# Allegro board RK_EVB7_RK3588_LP4XD200P232SD8_V11_20230111YWQ.brd (continued)
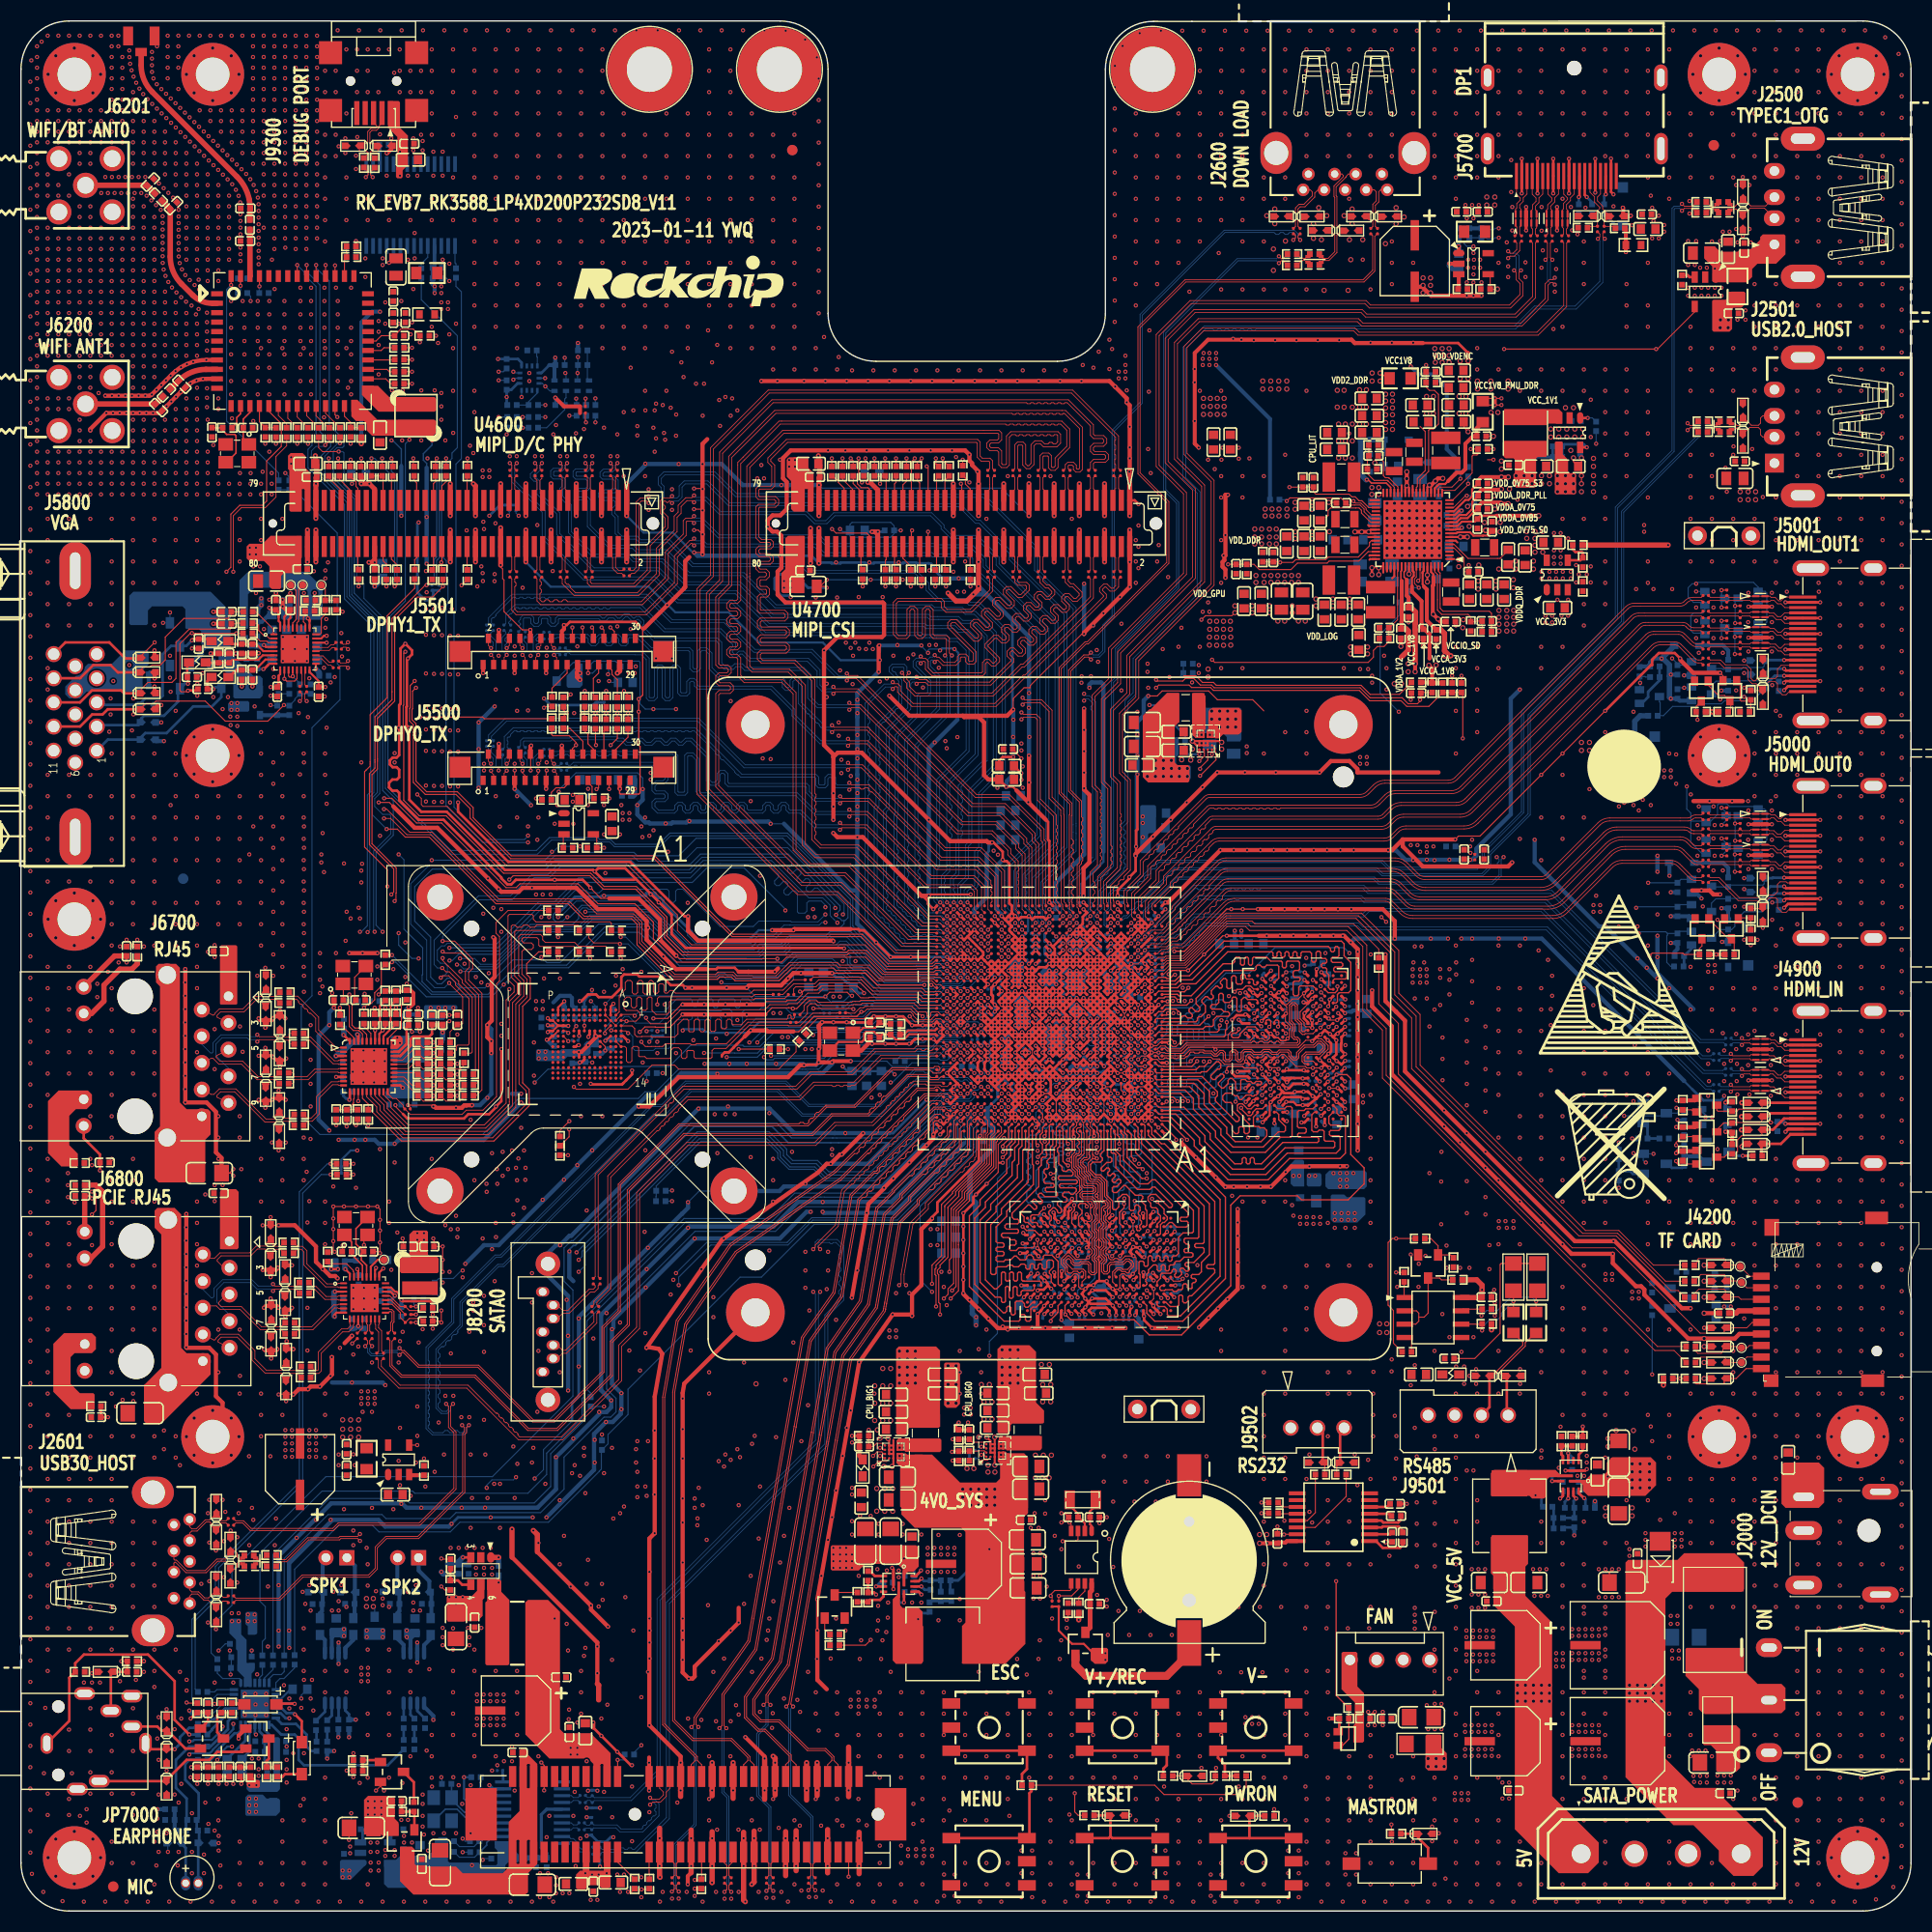
[diagram p0: board, top side]
## Placement (name value [footprint] x y rotation side) (continued)
FB5802  26R-100M  [L0603]  18.95 117.52 180 top
FB5803  26R-100M  [L0603]  16.79 118.91 180 top
FB5804  26R-100M  [L0603]  18.95 120.94 180 top
FB7000  120R-100MHz  [L0603]  24.03 11.09 90 bottom
FB7001  120R-100MHz  [L0603]  33.68 27.22 270 bottom
FB9501  120R-100MHz  [L0603]  136.17 51.09 0 top
GND9900  GND_GATE  [CON2_1X2_5R08_DIP]  159.66 130.99 0 top
GND9901  GND_GATE  [CON2_1X2_5R08_DIP]  106.32 47.8 0 top
H9900  HOLE_3R20  [HOLE_C3R20_C6R00]  5.08 174.92 0 top
H9901  HOLE_3R20  [HOLE_C3R20_C6R00]  161.73 174.92 0 top
H9902  HOLE_3R20  [HOLE_C3R20_C6R00]  174.92 5.08 0 top
H9903  HOLE_3R20  [HOLE_C3R20_C6R00]  174.92 174.92 0 top
H9904  HOLE_3R20  [HOLE_C3R20_C6R00]  5.08 5.08 0 top
H9905  HOLE_3R20  [HOLE_C3R20_C6R00]  5.08 94.45 0 top
H9906  HOLE_3R20  [HOLE_C3R20_C6R00]  18.26 45.18 0 top
H9907  HOLE_3R20  [HOLE_C3R20_C6R00]  174.92 45.18 0 top
H9908  HOLE_3R20  [HOLE_C3R20_C6R00]  18.26 110.05 0 top
H9909  HOLE_3R20  [HOLE_C3R20_C6R00]  161.73 45.18 0 top
H9910  HOLE_3R20  [HOLE_C3R20_C6R00]  18.26 174.92 0 top
H9911  HOLE_3R20  [HOLE_C3R20_C6R00]  161.73 110.05 0 top
J2000  DC-0007-5P  [DC3_DC_0007_5P]  180.09 36.24 180 top
J2400  CR1220-3V  [BAT_CR1220]  111.25 33.34 90 top
J2402  SATA_IDE_DIP_4Pin  [SATA-IDE4M_5R08_DIP]  148.59 5.45 0 top
J2500  USB20_TPYEA_01  [USB20A4_USB_AF_01_001]  166.99 162.22 180 top
J2501  USB20_TPYEA_01  [USB20A4_USB_AF_01_001]  166.99 141.39 180 top
J2600  USB30_A  [USB30A9_USB30_AF]  126.11 163.92 180 top
J2601  USB30_A  [USB30A9_USB30_AF]  16.06 33.29 270 top
J4200  TFP09-2-12B  [TF9_TFP09-2-12B]  176.74 57.26 0 top
J4900  HDMI_TYPE_A  [HDMIA19_HDMI_01A]  169.7 82.97 270 top
J5000  HDMI_TYPE_A  [HDMIA19_HDMI_01A]  169.7 104.41 270 top
J5001  HDMI_TYPE_A  [HDMIA19_HDMI_01A]  169.7 125.14 270 top
J5500  -  [CNN30_1R00_FP05SL_V]  51.51 108.93 0 top
J5501  -  [CNN30_1R00_FP05SL_V]  51.51 119.95 0 top
J5700  6601-20FH  [DP20_G46A20X2101WEU]  147.68 172.43 0 top
J5800  VGA_DB15  [DSUB15B]  7.21 110.51 90 top
J6200  SMA-J-P-H-RA-TH1  [ANT5_SMA_RA_TH1]  6.15 143.53 90 top
J6201  SMA-J-P-H-RA-TH1  [ANT5_SMA_RA_TH1]  6.15 164.35 90 top
J6700  HR911130C  [RJ45_HR911130C]  10.87 81.4 90 top
J6800  HR911130C  [RJ45_HR911130C]  10.97 58.08 90 top
J7000  Audio_Jack_2P_A  [CN2M_2R00_V_P_DIP]  31.04 33.64 180 bottom
J7001  Audio_Jack_2P_A  [CN2M_2R00_V_P_DIP]  37.87 33.64 180 bottom
J8200  -  [SATA30_7P_V_DIP]  49.68 51.35 270 top
J9300  USB20_mini  [USB20MIN5_USB_M5_03_002]  33.58 174.11 270 top
J9501  CN4M_2R54_V  [CN4M_2R54_V_P_DIP]  137.82 47.22 180 top
J9502  CN3M_2R54_V  [CN3M_2R54_V_P_DIP]  123.47 46.01 0 top
J9900  Radiator_Fan_65x65  [RADIATOR_FAN_65RX65RX13R]  97.94 85 270 top
JP7000  -  [PJ8_B2339J]  3.56 15.97 0 top
L2000  1.5uH  [IND_707028]  87.78 25.44 0 top
L2100  1.5uH  [IND_707028]  141.76 37.63 270 top
L2200  0.47uH  [IND_201610]  126.09 130.11 0 top
L2201  0.22uH  [IND_322512]  125.76 126.75 180 top
L2202  0.47uH  [IND_201610]  130.77 138.04 270 top
L2203  0.22uH  [IND_322512]  125.76 136.57 180 top
L2204  0.47uH  [IND_201610]  136.19 125.62 90 top
L2205  0.22uH  [IND_322512]  129.49 124.88 270 top
L2206  0.47uH  [IND_201610]  139.4 129.86 180 top
L2207  0.22uH  [IND_322512]  135.69 139.11 90 top
L2208  0.47uH  [IND_201610]  132.69 138.93 270 top
L2209  0.47uH  [IND_201610]  126.09 132.55 180 top
L2300  0.22uH  [IND_322512]  95.83 45.84 90 top
L2301  0.22uH  [IND_322512]  86.13 45.51 90 top
L2302  2.2uH  [IND_404026]  143.28 140.76 270 top
L2303  0.22uH  [IND_322512]  110.92 114.59 180 top
L2501  NC  [RP2_0405]  162.26 141.37 180 top
L2502  NC  [RP2_0405]  162.13 162.26 180 top
L2600  90R-100M  [RP2_0405]  123.2 157.29 0 top
L2601  NC  [RP2_0405]  21.72 33.34 0 top
L6200  4.7uH  [IND_303012]  37.62 142.42 0 top
L6700  2.2uH  [IND_303015]  37.11 80.43 180 bottom
L6800  2.2uH  [IND_303015]  38 60.37 180 top
L7000  600R-100M  [L0603]  31.65 27.09 90 bottom
L7001  600R-100M  [L0603]  28.47 27.09 90 bottom
L7002  600R-100M  [L0603]  39.01 27.09 90 bottom
L7003  600R-100M  [L0603]  35.84 27.09 90 bottom
L8100  4.7uH  [IND_606045]  47.27 26.46 0 top
M9900  -  [MARK]  169.21 10.33 0 top
M9901  -  [MARK]  73.46 167.71 180 bottom
M9902  -  [MARK]  73.46 167.71 0 top
M9903  -  [MARK]  169.21 10.33 180 bottom
M9904  -  [MARK]  161.21 168.16 180 bottom
M9905  -  [MARK]  15.44 98.31 180 bottom
M9906  -  [MARK]  161.21 168.16 0 top
M9907  -  [MARK]  8.79 2.33 0 top
MIC7000  MIC-4020  [MIC2_4020]  16.28 2.66 0 top
NOREF  -  []  151.28 73.07 0 top
NOREF#2  -  []  153.19 109.23 0 top
NOREF#3  -  []  52.6 153.46 0 top
NOREF#4  -  []  153.15 88.39 0 top
Q2000  S8050  [SOT_23]  77.5 29 0 top
Q2400  2SK3018  [SOT_323]  126.39 16.42 270 top
Q4200  WPM2015-3/TR  [SOT_23]  158.14 58.33 90 bottom
Q4900  S8050  [SOT_23]  155.6 75.99 90 bottom
Q4901  WPM3407-3/TR  [SOT_23]  161.57 72.3 90 bottom
Q4902  2SK3018  [SOT_323]  160.55 74.21 270 top
Q4903  S8050  [SOT_23]  155.6 71.16 90 bottom
Q4904  2SK3018  [SOT_323]  160.55 76.75 270 top
Q4905  2SK3018  [SOT_323]  160.55 71.8 270 top
Q5000  2SK3018  [SOT_323]  160.05 95.19 90 bottom
Q5001  2SK3018  [SOT_323]  160.05 92.65 90 bottom
Q5002  2SK3018  [SOT_323]  160.05 97.6 90 bottom
Q5003  WNM6002-3/TR  [SOT_323]  164.49 101.21 270 bottom
Q5004  WNM6002-3/TR  [SOT_323]  161.44 104.31 90 bottom
Q5005  WNM6002-3/TR  [SOT_323]  164.49 104.31 270 bottom
Q5006  WNM6002-3/TR  [SOT_323]  161.44 101.39 90 bottom
Q5007  2SK3018  [SOT_323]  160.05 115.92 90 bottom
Q5008  2SK3018  [SOT_323]  155.09 115.66 90 bottom
Q5009  WNM6002-3/TR  [SOT_323]  164.49 121.94 270 bottom
Q5010  WNM6002-3/TR  [SOT_323]  161.32 125.01 90 bottom
Q5011  WNM6002-3/TR  [SOT_323]  164.49 125.03 270 bottom
Q5012  WNM6002-3/TR  [SOT_323]  161.32 122.21 90 bottom
Q5013  2SK3018  [SOT_323]  160.05 118.33 90 bottom
Q5014  2SK3018  [SOT_323]  160.03 116.18 180 top
Q5015  2SK3018  [SOT_323]  162.9 93.54 180 top
Q5016  2SK3018  [SOT_323]  160.09 93.54 180 top
Q5020  2SK3018  [SOT_323]  162.75 116.22 180 top
Q7000  WNM2016-3/TR  [SOT_23]  18.19 16.42 270 top
Q7001  WNM2016-3/TR  [SOT_23]  22.5 16.42 270 top
Q8100  WPM3407-3/TR  [SOT_23]  36.51 6.63 180 top
Q8101  S8050  [SOT_23]  35.33 13.25 270 top
Q9500  S8050  [SOT_23]  134.01 61.38 180 top
R1100  0R  [R0402]  83.72 80.94 180 bottom
R1101  22R  [R0402]  83.26 84.5 0 top
R1103  510K  [R0402]  83.26 83.48 180 top
R1104  22R  [R0402]  60.1 79.8 0 bottom
R1107  22R  [R0402]  71.78 82.08 180 top
R1113  2.2K  [R0201]  61.11 83.61 90 bottom
R1114  2.2K  [R0201]  60.1 83.61 90 bottom
R1115  100K  [R0402]  131.72 124.63 0 bottom
R1116  120K  [R0402]  132.23 126.15 90 bottom
R1130  2.2K  [R0201]  98.2 29.25 90 top
R1131  2.2K  [R0201]  98.83 29.25 90 top
R1132  0R  [R0402]  25.55 135.8 90 bottom
R1139  2.2K  [R0201]  90.58 43.09 0 bottom
R1140  2.2K  [R0201]  90.58 43.86 0 bottom
R1200  240R  [R0201]  103.78 85.64 180 bottom
R1201  240R  [R0201]  105.05 78.46 90 bottom
R1202  240R  [R0201]  104.29 78.46 90 bottom
R1203  240R  [R0201]  97.82 77.76 90 bottom
R1204  0R  [R0603]  121.82 68.66 270 bottom
R1205  0R  [R0402]  124.05 69.51 0 bottom
R1306  0R  [R0201]  73.34 87.27 180 top
R1307  0R  [R0201]  73.92 85.37 180 top
R1308  0R  [R0201]  78 85.13 180 bottom
R1309  0R  [R0201]  74.96 88.69 180 top
R1310  0R  [R0201]  73.56 84.62 180 top
R1311  0R  [R0201]  76.73 85.51 180 bottom
R1314  0R  [R0201]  80.8 86.27 180 bottom
R1315  0R  [R0201]  78 86.15 180 bottom
R1316  0R  [R0201]  78.26 85.55 180 top
R1317  0R  [R0402]  74.45 83.23 225 top
R1318  0R  [R0201]  71.91 87.29 180 top
R1320  22R  [R0402]  129.31 90.34 270 top
R1400  200R  [R0201]  103.45 91.4 270 bottom
R1401  200R  [R0201]  104.55 91.99 0 bottom
R1402  8.2K  [R0201]  98.59 92.42 180 bottom
R1405  200R  [R0201]  100.79 96.31 90 bottom
R1406  200R  [R0201]  104.93 96.31 90 bottom
R1410  8.2K  [R0201]  98.58 91.81 180 bottom
R1500  10K  [R0402]  134.39 116.5 90 top
R1501  2.2K  [R0201]  30.25 70.91 180 bottom
R1502  2.2K  [R0201]  30.25 70.27 180 bottom
R1506  2.2K  [R0201]  46.51 133.64 270 bottom
R1507  2.2K  [R0201]  47.14 133.64 270 bottom
R1508  10K  [R0402]  132.87 117.01 180 top
R1509  DNP  [R0402]  136.3 116.5 90 top
R1510  1K  [R0402]  111.15 118.79 0 bottom
R1511  100K  [R0402]  135.41 116.5 270 top
R1512  0R  [R0402]  56.67 91.35 180 top
R1513  0R  [R0402]  53.62 91.35 180 top
R1514  0R  [R0402]  50.7 95.29 180 top
R1515  0R  [R0402]  53.62 93.39 180 top
R1516  0R  [R0402]  50.7 93.39 180 top
R1517  0R  [R0402]  56.67 93.39 180 top
R1519  0R  [R0402]  34.7 90.59 270 top
R1520  0R  [R0402]  50.7 91.35 180 top
R1530  0R  [R0402]  60.93 67.6 0 bottom
R1531  0R  [R0402]  60.95 68.59 0 bottom
R1532  0R  [R0402]  51.33 72.43 270 top
R1533  0R  [R0402]  51.33 73.32 90 top
R1534  0R  [R0402]  55.33 44.36 90 bottom
R1535  0R  [R0402]  54.25 48.5 270 bottom
R1708  8.2K  [R0201]  107.72 94.66 225 bottom
R1719  8.2K  [R0201]  108.61 95.8 90 bottom
R1730  200R  [R0201]  108.1 90.46 90 bottom
R1801  200R  [R0201]  87.15 74.72 90 bottom
R1807  200R  [R0201]  86.89 73.57 180 bottom
R1900  2.2K  [R0201]  54.89 114.85 270 bottom
R1901  2.2K  [R0201]  55.52 114.85 270 bottom
R1903  2.2K  [R0201]  39.14 126.02 90 bottom
R1904  2.2K  [R0201]  39.78 126.01 90 bottom
R1905  0R  [R0402]  37.87 58.21 180 bottom
R1906  0R  [R0402]  39.4 59.39 90 bottom
R1920  2.2K  [R0201]  53.49 143.3 0 top
R1921  2.2K  [R0201]  53.49 142.66 0 top
R1923  0R  [R0402]  46.76 141.26 180 bottom
R1924  0R  [R0402]  46.76 142.28 180 bottom
R2000  2R  [R1210]  161.57 18.2 270 top
R2001  1K  [R1206]  158.52 26.08 180 bottom
R2002  3.3R  [R0402]  83.46 28.87 270 bottom
R2003  510K  [R0402]  84.61 34.2 180 bottom
R2004  DNP  [R0402]  86.54 28.95 90 bottom
R2005  43K  [R0402]  88.05 31.49 180 bottom
R2006  DNP  [R0402]  87.6 29.96 90 bottom
R2007  100K  [R0402]  84.61 32.93 0 bottom
R2008  7.5K  [R0402]  86.64 31.04 270 bottom
R2009  100K  [R0402]  80.67 31.92 90 top
R2010  100K  [R0402]  80.67 29.89 270 top
R2030  10K  [R0402]  79.65 29.89 90 top
R2031  10K  [R0402]  77.5 25.31 180 top
R2032  51K  [R0402]  77.5 26.33 0 top
R2100  3.3R  [R0402]  145.31 41.57 180 bottom
R2101  510K  [R0402]  150.65 40.43 90 bottom
R2102  DNP  [R0402]  145.39 38.5 0 bottom
R2103  232K  [R0402]  147.93 36.98 90 bottom
R2104  DNP  [R0402]  146.41 37.43 0 bottom
R2105  100K  [R0402]  149.38 40.48 90 bottom
R2106  30K  [R0402]  147.48 38.4 180 bottom
R2107  100K  [R0402]  148.74 44.74 270 top
R2108  100K  [R0402]  147.73 44.74 270 top
R2109  100K  [R0402]  146.71 44.74 90 top
R2139  0R  [R0402]  149.45 38.39 180 bottom
R2200  100R  [R0402]  118.26 128.95 270 top
R2201  100R  [R0402]  116.74 127.8 270 top
R2202  120K  [R0402]  128.8 139.61 180 top
R2203  100R  [R0402]  122.07 136.06 90 top
R2204  100K  [R0402]  128.68 137.33 0 top
R2206  100R  [R0402]  129.82 121.2 180 top
R2207  20K  [R0402]  139.6 121.83 180 top
R2208  100K  [R0402]  138.07 122.34 270 top
R2209  100R  [R0402]  134.26 145.58 180 top
R2210  0R  [R0805]  139.22 142.79 270 top
R2211  0R  [R0805]  131.34 145.96 0 top
R2212  100K  [R0402]  139.22 139.23 0 top
R2213  100K  [R0402]  138.4 134.41 270 bottom
R2214  10K  [R0402]  136.8 137.58 270 bottom
R2215  10K  [R0402]  119.41 134.41 0 bottom
R2216  200K  [R0402]  128.04 140.12 0 bottom
R2217  200K  [R0402]  128.04 138.72 180 bottom
R2300  100R  [R0402]  89.31 45.38 270 top
R2301  100R  [R0402]  80.29 45.25 0 top
R2302  100K  [R0402]  89.31 43.35 90 top
R2303  120K  [R0402]  90.32 43.35 270 top
R2304  10K  [R0402]  150.01 141.39 90 bottom
R2305  100K  [R0402]  146.33 139.49 0 bottom
R2306  100R  [R0402]  110.41 110.4 0 bottom
R2307  120K  [R0402]  148.49 139.23 270 bottom
R2311  10K  [R0402]  148.23 130.09 180 top
R2322  4.7K  [R0402]  148.74 126.15 90 top
R2323  4.7K  [R0402]  52.1 101.26 0 top
R2324  100K  [R0402]  54.38 101.26 180 top
R2350  100K  [R0402]  148.74 128.44 270 top
R2400  22R  [R0402]  99.72 28.87 270 top
R2403  1K  [R0402]  126.9 19.34 180 top
R2410  10K  [R0402]  100.74 28.87 270 top
R2425  10K  [R0402]  126.01 18.33 0 top
R2426  10K  [R0402]  128.04 18.33 180 top
R2502  0R  [R0402]  162.26 141.87 180 top
R2503  0R  [R0805]  163.48 154.73 90 top
R2504  0R  [R0402]  162.26 140.86 180 top
R2505  4.7K  [R0402]  158.2 155.34 270 top
R2507  2.2R  [R0402]  160.18 141.87 180 top
R2509  2.2R  [R0402]  160.18 140.86 180 top
R2510  0R  [R0402]  162.13 162.77 180 top
R2511  0R  [R0402]  162.13 161.75 180 top
R2512  2.2R  [R0402]  160.05 162.77 180 top
R2513  2.2R  [R0402]  160.05 161.75 180 top
R2600  10K  [R0402]  136.93 159.81 90 bottom
R2601  20K  [R0402]  139.09 159.81 270 bottom
R2602  2.2R  [R0402]  121.06 156.73 0 top
R2603  0R  [R0402]  123.2 156.78 0 top
R2604  0R  [R0805]  138.44 159.93 180 top
R2605  2.2R  [R0402]  121.06 157.8 0 top
R2606  0R  [R0402]  123.2 157.8 0 top
R2607  0R  [R0201]  121.18 159.99 90 top
R2608  0R  [R0201]  121.82 159.99 90 top
R2609  100K  [R0402]  139.47 154.47 180 top
R2610  4.7K  [R0402]  137.31 154.47 0 top
R2611  0R  [R0805]  32.92 43.08 270 top
R2612  2.2R  [R0402]  23.85 33.9 0 top
R2613  0R  [R0402]  21.72 33.85 0 top
R2614  0R  [R0402]  21.72 32.83 0 top
R2615  2.2R  [R0402]  23.85 32.83 0 top
R2616  0R  [R0201]  19.99 29.38 180 top
R2617  0R  [R0201]  19.99 30.01 180 top
R2619  4.7K  [R0402]  38.38 41.95 90 top
R3801  49.9R  [R0201]  119.41 82.95 90 bottom
R3802  49.9R  [R0201]  120.17 82.95 90 bottom
R3804  49.9R  [R0201]  118.52 81.45 0 bottom
R3805  49.9R  [R0201]  119.91 81.45 0 bottom
R3806  10K  [R0201]  116.74 84.88 0 bottom
R3807  10K  [R0201]  116.75 79.8 180 bottom
R3808  0R  [R0805]  124.36 67.6 180 bottom
R3809  240R  [R0201]  121.06 89.19 90 bottom
R3810  240R  [R0201]  121.82 89.19 90 bottom
R3811  0R  [R0805]  127.28 68.37 90 bottom
R3812  49.9R  [R0201]  103.4 63.41 270 bottom
R3813  49.9R  [R0201]  103.4 62.27 90 bottom
R3814  49.9R  [R0201]  100.58 65.19 225 bottom
R3815  49.9R  [R0201]  101.78 63.92 270 bottom
R3816  10K  [R0201]  105.46 66.23 270 bottom
R3817  10K  [R0201]  99.92 65.93 0 bottom
R3818  240R  [R0201]  110.01 62.4 0 bottom
R3819  240R  [R0201]  109.88 60.24 0 bottom
R4000  10K  [R0201]  51.59 83.96 270 bottom
R4001  10K  [R0201]  57.18 83.23 90 bottom
R4002  10K  [R0402]  52.75 85.51 270 bottom
R4003  22R  [R0402]  54.66 85.51 270 bottom
R4004  47K  [R0402]  53.64 85.51 90 bottom
R4200  0R  [R0402]  158.14 60.87 0 bottom
R4201  10K  [R0402]  155.35 57.19 90 bottom
R4202  10K  [R0402]  162.46 59.86 90 bottom
R4203  100K  [R0402]  156.87 50.71 180 top
R4204  22R  [R0402]  158.9 61.51 0 top
R4205  22R  [R0402]  158.9 59.98 0 top
R4206  22R  [R0402]  158.9 58.46 0 top
R4207  22R  [R0402]  159.03 53.76 0 top
R4208  22R  [R0402]  159.03 52.24 0 top
R4209  22R  [R0402]  159.03 50.71 0 top
R4600  0R  [R0201]  56.79 136.95 270 top
R4601  0R  [R0201]  57.68 127.8 0 top
R4602  0R  [R0201]  56.16 136.95 270 top
R4603  0R  [R0201]  57.68 127.17 0 top
R4604  0R  [R0201]  54.4 136.95 270 top
R4605  0R  [R0201]  54.4 127.29 270 top
R4606  0R  [R0201]  53.76 136.95 270 top
R4607  0R  [R0201]  53.76 127.29 270 top
R4608  0R  [R0201]  52 136.95 270 top
R4609  0R  [R0201]  52 127.29 270 top
R4610  0R  [R0201]  51.36 136.95 270 top
R4611  0R  [R0201]  51.36 127.29 270 top
R4612  0R  [R0201]  49.6 136.95 270 top
R4613  0R  [R0201]  49.6 127.29 270 top
R4614  0R  [R0201]  48.96 136.95 270 top
R4615  0R  [R0201]  48.96 127.29 270 top
R4616  0R  [R0201]  47.2 136.95 270 top
R4617  0R  [R0201]  47.2 127.29 270 top
R4618  0R  [R0201]  46.56 136.95 270 top
R4619  0R  [R0201]  46.56 127.29 270 top
R4620  100R  [R0402]  42.52 137.12 270 top
R4621  100R  [R0402]  42.52 127.27 270 top
R4622  100R  [R0402]  40.49 137.12 270 top
R4623  100R  [R0402]  40.18 127.27 270 top
R4624  100R  [R0402]  39.47 137.12 270 top
R4625  100R  [R0402]  39.17 127.27 270 top
R4626  100R  [R0402]  31.34 137.12 270 top
R4627  100R  [R0402]  32.16 127.29 270 top
R4628  100R  [R0402]  37.44 137.12 270 top
R4629  100R  [R0402]  37.49 127.29 270 top
R4630  100R  [R0402]  35.41 137.12 270 top
R4631  100R  [R0402]  35.81 127.27 270 top
R4640  100R  [R0402]  30.33 137.12 270 top
R4641  100R  [R0402]  29.31 137.12 270 top
R4642  100R  [R0402]  34.39 137.12 270 top
R4651  100R  [R0402]  33.38 137.12 270 top
R4652  100R  [R0402]  34.8 127.27 270 top
R4653  100R  [R0402]  30.54 70.14 180 top
R4654  100R  [R0402]  30.51 71.16 180 top
R4700  0R  [R0201]  104.71 136.95 270 top
R4701  0R  [R0201]  104.71 127.29 270 top
R4702  0R  [R0201]  104.07 136.95 270 top
R4703  0R  [R0201]  104.08 127.29 270 top
R4704  0R  [R0201]  102.31 136.95 270 top
R4705  0R  [R0201]  102.31 127.29 270 top
R4706  0R  [R0201]  101.68 136.95 270 top
R4707  0R  [R0201]  101.68 127.29 270 top
R4708  0R  [R0201]  99.91 136.95 270 top
R4709  0R  [R0201]  99.91 127.29 270 top
R4710  0R  [R0201]  99.28 136.95 270 top
R4711  0R  [R0201]  99.28 127.29 270 top
R4712  0R  [R0201]  97.51 136.95 270 top
R4713  0R  [R0201]  97.51 127.29 270 top
R4714  0R  [R0201]  96.88 136.95 270 top
R4715  0R  [R0201]  96.88 127.29 270 top
R4716  0R  [R0201]  95.11 136.95 270 top
R4717  0R  [R0201]  95.11 127.29 270 top
R4718  0R  [R0201]  94.48 136.95 270 top
R4719  0R  [R0201]  94.48 127.29 270 top
R4720  0R  [R0201]  92.71 136.95 270 top
R4721  0R  [R0201]  92.71 127.29 270 top
R4722  0R  [R0201]  92.08 136.95 270 top
R4723  0R  [R0201]  92.08 127.29 270 top
R4724  100R  [R0402]  89.69 137.2 270 top
R4725  100R  [R0402]  90.43 127.27 270 top
R4726  100R  [R0402]  88.4 137.12 270 top
R4727  100R  [R0402]  88.09 127.27 270 top
R4728  100R  [R0402]  87.38 137.12 270 top
R4729  100R  [R0402]  87.08 127.27 270 top
R4730  100R  [R0402]  84.33 137.12 270 top
R4731  100R  [R0402]  84.74 127.27 270 top
R4732  100R  [R0402]  85.35 137.12 270 top
R4733  100R  [R0402]  85.76 127.27 270 top
R4734  100R  [R0402]  83.34 127.29 270 top
R4735  100R  [R0402]  83.34 137.13 270 top
R4736  100R  [R0402]  79.25 137.12 270 top
R4737  100R  [R0402]  80.16 127.29 270 top
R4738  100R  [R0402]  78.24 137.12 270 top
R4739  100R  [R0402]  77.22 137.12 270 top
R4740  100R  [R0402]  81.29 137.12 270 top
R4741  100R  [R0402]  82.3 137.12 270 top
R4751  100R  [R0402]  82.32 127.29 270 top
R4752  100R  [R0402]  54.25 142.41 180 bottom
R4753  100R  [R0402]  54.25 143.42 180 bottom
R4900  2.2R  [R0201]  161.47 78.07 180 bottom
R4901  2.2R  [R0201]  161.47 78.7 180 bottom
R4902  2.2R  [R0201]  162.61 79.59 180 bottom
R4903  2.2R  [R0201]  162.61 80.23 180 bottom
R4904  2.2R  [R0201]  161.47 81.02 180 bottom
R4905  2.2R  [R0201]  161.47 81.65 180 bottom
R4906  2.2R  [R0201]  162.61 82.49 180 bottom
R4907  2.2R  [R0201]  162.61 83.12 180 bottom
R4908  100K  [R0402]  156.49 73.57 180 bottom
R4909  100K  [R0402]  158.39 75.73 90 bottom
R4910  1K  [R0402]  165.38 71.92 0 top
R4911  47K  [R0402]  154.46 73.57 180 bottom
R4912  100K  [R0402]  158.39 73.45 270 bottom
R4913  10K  [R0402]  158.27 74.21 270 top
R4914  47K  [R0402]  162.97 74.59 90 top
R4915  10K  [R0402]  158.39 71.41 270 bottom
R4916  56K  [R0402]  158.27 76.75 270 top
R4917  56K  [R0402]  162.97 76.62 270 top
R4918  10K  [R0402]  152.17 70.02 90 bottom
R4919  10K  [R0402]  158.27 71.92 270 top
R4920  47K  [R0402]  162.97 72.56 270 top
R4921  20K  [R0402]  152.17 72.05 90 bottom
R5000  10K  [R0402]  157.76 95.19 90 bottom
R5001  1.8K  [R0402]  162.59 95.95 90 bottom
R5002  10K  [R0402]  157.76 92.65 90 bottom
R5003  1K  [R0402]  157.94 90.94 0 bottom
R5004  1.8K  [R0402]  162.59 93.92 270 bottom
R5007  590R  [R0201]  163.73 99.23 270 top
R5008  590R  [R0201]  163.73 100.37 90 top
R5009  590R  [R0201]  162.46 103.67 270 top
R5010  590R  [R0201]  162.46 104.82 90 top
R5011  590R  [R0201]  163.73 102.17 270 top
R5012  590R  [R0201]  163.73 103.32 90 top
R5013  590R  [R0201]  162.46 100.75 270 top
R5014  590R  [R0201]  162.46 101.89 90 top
R5015  47K  [R0402]  164.74 93 90 top
R5016  1.2K  [R0402]  164.74 95.04 90 top
R5017  27K  [R0402]  157.76 97.48 90 bottom
R5018  27K  [R0402]  162.59 97.98 270 bottom
R5019  47K  [R0402]  162.71 91.1 180 top
R5020  10K  [R0402]  157.76 115.92 90 bottom
R5021  1.8K  [R0402]  162.59 116.68 90 bottom
R5022  10K  [R0402]  154.15 118.02 270 bottom
R5023  1K  [R0402]  155.6 118.53 0 bottom
R5024  1.8K  [R0402]  155.42 113.83 0 bottom
R5027  590R  [R0201]  163.73 119.95 270 top
R5028  590R  [R0201]  163.73 121.1 90 top
R5029  590R  [R0201]  162.46 124.4 270 top
R5030  590R  [R0201]  162.46 125.54 90 top
R5031  590R  [R0201]  163.73 122.9 270 top
R5032  590R  [R0201]  163.73 124.04 90 top
R5033  590R  [R0201]  162.46 121.48 270 top
R5034  590R  [R0201]  162.46 122.62 90 top
R5035  47K  [R0402]  162.14 114.21 180 top
R5036  1.2K  [R0402]  164.74 115.8 90 top
R5037  47K  [R0402]  164.17 114.21 0 top
R5038  27K  [R0402]  157.76 118.2 90 bottom
R5039  27K  [R0402]  162.59 118.71 270 bottom
R5050  47K  [R0402]  160.3 91.1 0 top
R5051  47K  [R0402]  159.98 114.21 0 top
R5500  0R  [R0201]  44.98 111.19 270 bottom
R5501  0R  [R0201]  44.35 111.19 90 bottom
R5502  0R  [R0201]  45.87 110.38 270 bottom
R5503  0R  [R0201]  46.51 110.38 90 bottom
R5504  0R  [R0201]  47.4 110.56 90 bottom
R5505  0R  [R0201]  48.03 110.56 270 bottom
R5506  0R  [R0201]  50.06 110.63 180 bottom
R5507  0R  [R0201]  50.06 110 0 bottom
R5508  0R  [R0201]  51.71 109.29 0 bottom
R5509  0R  [R0201]  51.71 108.65 180 bottom
R5510  0R  [R0402]  50.06 105.83 0 top
R5511  0R  [R0402]  50.55 113.1 90 top
R5512  0R  [R0402]  51.66 113.1 90 top
R5513  0R  [R0402]  55.02 105.96 180 top
R5514  0R  [R0402]  53.7 113.1 90 top
R5515  0R  [R0402]  54.71 113.05 270 top
R5516  0R  [R0402]  55.73 113.05 90 top
R5517  0R  [R0402]  56.79 113.05 270 top
R5518  0R  [R0402]  57.81 113.05 90 top
R5530  0R  [R0201]  44.98 122.21 270 bottom
R5531  0R  [R0201]  44.35 122.21 90 bottom
R5532  0R  [R0201]  46 122.21 270 bottom
R5533  0R  [R0201]  46.63 122.21 90 bottom
R5534  0R  [R0201]  47.4 121.58 90 bottom
R5535  0R  [R0201]  48.03 121.58 270 bottom
R5536  0R  [R0201]  50.06 121.78 180 bottom
R5537  0R  [R0201]  50.06 121.15 0 bottom
R5538  0R  [R0201]  51.59 120.28 0 bottom
R5539  0R  [R0201]  51.59 119.65 180 bottom
R5540  0R  [R0402]  50.57 115.16 90 top
R5541  0R  [R0402]  53.7 115.13 270 top
R5542  0R  [R0402]  54.71 115.13 90 top
R5543  0R  [R0402]  55.73 115.13 270 top
R5544  0R  [R0402]  56.79 115.13 90 top
R5545  0R  [R0402]  57.81 115.13 270 top
R5554  0R  [R0402]  51.66 115.13 270 top
R5563  0R  [R0402]  55.52 118.53 180 bottom
R5700  100K  [R0402]  148.74 160.31 0 top
R5701  1M  [R0402]  148.36 162.09 270 bottom
R5702  1M  [R0402]  149.63 162.09 270 bottom
R5703  100K  [R0402]  152.3 160.26 180 top
R5704  0R  [R0603]  153.57 158.66 0 top
R5706  470R  [R0402]  150.77 162.09 90 bottom
R5800  2.2K  [R0402]  25.55 114.34 90 bottom
R5801  2.2K  [R0402]  24.41 114.34 90 bottom
R5802  0R  [R0402]  21.36 115.36 90 bottom
R5803  0R  [R0402]  22.5 123.23 270 bottom
R5804  22R  [R0402]  26.57 116.37 270 bottom
R5805  22R  [R0402]  25.55 116.37 270 bottom
R5806  0R  [R0402]  26.06 124.75 180 bottom
R5807  22R  [R0402]  28.98 124.37 270 top
R5808  200R  [R0402]  21.59 121.68 180 top
R5809  4.7K  [R0402]  30 124.37 270 top
R5810  0R  [R0402]  27.52 123.81 180 top
R5811  12K  [R0402]  27.58 124.82 180 top
R5812  33R  [R0402]  21.59 122.65 180 top
R5813  75R  [R0402]  21.03 117.74 270 top
R5814  33R  [R0402]  21.62 123.74 180 top
R5815  75R  [R0402]  18.82 119.32 90 top
R5816  75R  [R0402]  21.03 120.21 270 top
R6200  22R  [R0402]  19.65 141.26 0 top
R6201  100K  [R0402]  24.28 140.81 90 top
R6202  120K  [R0402]  23.27 140.83 270 top
R6203  100K  [R0402]  31.45 158.54 180 top
R6204  0R  [R0402]  23.14 154.09 0 bottom
R6205  120K  [R0402]  31.45 157.52 0 top
R6206  0R  [R0402]  25.3 140.81 90 top
R6207  0R  [R0402]  26.31 140.81 90 top
R6208  0R  [R0402]  27.33 140.81 90 top
R6209  0R  [R0402]  28.35 140.81 90 top
R6210  0R  [R0402]  29.36 140.81 90 top
R6211  0R  [R0402]  30.38 140.81 90 top
R6212  100K  [R0402]  21.11 154.09 180 bottom
R6213  120K  [R0402]  21.11 155.49 0 bottom
R6214  10K  [R0402]  32.41 140.81 90 top
R6216  0R  [R0603]  38.67 152.06 0 top
R6217  10K  [R0402]  31.39 140.83 270 top
R6218  0R  [R0805]  38.65 156 0 top
R6219  22R  [R0402]  36.04 145.46 180 top
R6220  22R  [R0402]  36.04 146.6 180 top
R6221  22R  [R0402]  36.04 147.74 180 top
R6222  22R  [R0402]  36.04 148.88 180 top
R6223  DNP  [R0402]  38.44 150.03 0 top
R6230  0R  [R0402]  24.54 135.8 270 bottom
R6700  0R  [R0402]  26.47 74.84 180 top
R6702  0R  [R0402]  26.47 75.86 180 top
R6703  0R  [R0402]  25.04 78.81 180 top
R6704  0R  [R0402]  25.04 79.82 180 top
R6705  0R  [R0402]  26.47 82.57 180 top
R6706  0R  [R0402]  26.47 83.58 180 top
R6707  0R  [R0402]  25.1 86.48 180 top
R6709  0R  [R0402]  25.1 87.49 180 top
R6710  100R  [R0402]  32.66 84.95 270 top
R6711  510R  [R0402]  11.07 91.4 270 top
R6712  120R  [R0402]  31.65 86.65 180 bottom
R6713  510R  [R0402]  5.59 71.24 180 top
R6714  4.7K  [R0402]  35.71 84.95 90 top
R6715  4.7K  [R0402]  35.71 87.16 270 top
R6716  4.7K  [R0402]  33.68 84.95 90 top
R6717  4.7K  [R0402]  34.7 87.16 270 top
R6718  4.7K  [R0402]  34.7 84.95 90 top
R6719  2.49K  [R0402]  30.38 84.88 90 top
R6720  4.7K  [R0402]  36.73 87.24 90 top
R6721  4.7K  [R0402]  38.25 77.64 0 top
R6722  4.7K  [R0402]  40.41 77.64 180 top
R6723  4.7K  [R0402]  38.25 82.72 0 top
R6724  4.7K  [R0402]  38.25 81.7 0 top
R6725  4.7K  [R0402]  38.25 80.69 0 top
R6726  4.7K  [R0402]  40.41 80.69 180 top
R6727  0R  [R0402]  40.03 84.75 270 bottom
R6728  4.7K  [R0402]  40.41 79.67 180 top
R6729  4.7K  [R0402]  38.25 79.67 0 top
R6730  4.7K  [R0402]  38.25 78.65 0 top
R6731  4.7K  [R0402]  40.41 78.65 180 top
R6732  0R  [R0402]  38.18 85.38 180 bottom
R6733  4.7K  [R0402]  30.02 75.86 90 top
R6734  1.8K  [R0402]  33.07 75.86 90 top
R6735  0R  [R0402]  32.05 75.86 90 top
R6736  22R  [R0402]  42.19 81.25 90 top
R6737  22R  [R0402]  42.65 79.7 0 top
R6738  22R  [R0402]  42.65 78.68 0 top
R6739  22R  [R0402]  42.65 77.66 0 top
R6740  22R  [R0402]  40.41 82.72 0 top
R6741  22R  [R0402]  40.41 81.7 0 top
R6801  0R  [R0201]  33.88 52.87 270 top
R6802  2.49K  [R0402]  29.21 62.3 270 top
R6803  0R  [R0201]  34.52 52.87 270 top
R6805  0R  [R0201]  36.86 56.05 0 top
R6806  0R  [R0201]  36.86 57.57 0 top
R6807  0R  [R0201]  32.03 54.78 270 top
R6808  0R  [R0201]  36.86 56.81 0 top
R6809  0R  [R0603]  34.23 62.02 180 bottom
R6810  0R  [R0402]  30.38 61.89 0 bottom
R6811  1K  [R0402]  38.76 57.44 0 top
R6812  0R  [R0402]  27.13 50.82 180 top
R6813  0R  [R0402]  27.14 51.86 180 top
R6814  0R  [R0402]  25.6 54.98 180 top
R6815  0R  [R0402]  25.61 56.03 180 top
R6816  0R  [R0402]  26.97 58.84 180 top
R6817  0R  [R0402]  26.97 59.86 180 top
R6818  0R  [R0402]  25.5 62.65 180 top
R6819  0R  [R0402]  25.5 63.67 180 top
R6820  510R  [R0402]  5.61 69.13 0 top
R6821  510R  [R0402]  7.16 48.07 180 top
R7000  4.7R  [R0402]  23.9 14.14 180 bottom
R7001  0R  [R0603]  21.23 26.71 180 bottom
R7002  0R  [R0402]  18.69 23.54 270 bottom
R7003  0R  [R0402]  22.99 23.89 270 bottom
R7004  0R  [R0402]  24 23.89 270 bottom
R7005  0R  [R0402]  25.07 23.89 270 bottom
R7006  0R  [R0402]  26.06 23.92 270 bottom
R7007  0R  [R0402]  17.3 20.87 0 bottom
R7008  0R  [R0402]  17.32 19.85 0 bottom
R7009  10K  [R0402]  17.3 18.84 180 bottom
R7010  100R  [R0402]  21.87 13.25 90 top
R7011  2.2K  [R0402]  19.84 13.25 270 top
R7012  100K  [R0402]  18.82 13.25 270 top
R7013  100R  [R0402]  14.18 9.69 0 bottom
R7014  100K  [R0402]  17.81 13.25 270 top
R7015  0R  [R0402]  5.61 22.77 0 top
R7016  1.1K  [R0402]  15.27 7.66 0 bottom
R7017  10R  [R0402]  20.09 19.34 270 top
R7018  10R  [R0402]  24.41 13.25 90 top
R7019  100K  [R0402]  10.57 23.79 180 top
R7020  470R  [R0402]  23.39 13.25 270 top
R7021  470R  [R0402]  19.08 19.34 90 top
R7022  1.1K  [R0402]  17.3 7.66 0 bottom
R7023  300K  [R0402]  16.79 19.34 90 top
R7024  100K  [R0402]  31.24 17.77 90 bottom
R7025  10K  [R0402]  29.16 15.69 90 bottom
R7026  10K  [R0402]  28.14 15.69 90 bottom
R7030  10K  [R0402]  37.47 15.84 90 bottom
R7031  10K  [R0402]  36.45 15.84 90 bottom
R8100  0R  [R0402]  58.45 2.58 90 top
R8101  0R  [R0402]  57.94 14.9 0 bottom
R8102  0R  [R0402]  59.84 2.58 90 top
R8103  10K  [R0402]  64.8 2.58 90 top
R8104  33R  [R0201]  54.21 5.41 0 bottom
R8105  33R  [R0201]  54.2 6.09 0 bottom
R8106  10K  [R0402]  31.9 7.79 0 bottom
R8107  49.9R  [R0201]  55.12 6.34 90 bottom
R8108  49.9R  [R0201]  55.12 5.12 270 bottom
R8109  DNP  [R0402]  33.93 7.79 0 bottom
R8110  100K  [R0402]  40.79 5.63 0 bottom
R8111  33R  [R0201]  53.39 7.74 0 bottom
R8112  10K  [R0402]  43.23 5.6 0 bottom
R8113  100K  [R0402]  40.79 6.64 0 bottom
R8114  49.9R  [R0201]  54.36 7.48 270 bottom
R8115  10K  [R0402]  43.21 6.64 0 bottom
R8116  33R  [R0201]  53.4 8.4 0 bottom
R8117  49.9R  [R0201]  54.36 8.65 90 bottom
R8118  0R  [R0201]  43.59 7.53 0 bottom
R8119  10K  [R0402]  40.89 31.03 90 top
R8120  232K  [R0402]  41.68 32.55 90 bottom
R8121  22R  [R0402]  43.28 9.41 0 bottom
R8122  33R  [R0201]  53.49 10.33 0 bottom
R8123  33R  [R0201]  53.5 11.01 0 bottom
R8124  49.9K  [R0402]  42.63 32.55 270 bottom
R8125  49.9R  [R0201]  54.41 11.24 90 bottom
R8126  49.9R  [R0201]  54.41 10.07 270 bottom
R8127  100K  [R0402]  35.79 9.46 0 top
R8128  4.7K  [R0402]  43.28 10.43 0 bottom
R8129  470R  [R0201]  45.62 13.38 180 bottom
R8130  2.2R  [R0402]  47.52 4.99 0 bottom
R8131  100K  [R0402]  43.33 12.74 0 bottom
R8132  100K  [R0402]  43.28 11.45 0 bottom
R8133  10K  [R0402]  37.41 9.92 90 top
R8134  10K  [R0402]  32.11 14.37 0 top
R8135  51K  [R0402]  32.11 13.35 180 top
R9003  15R  [R0402]  53.49 148.63 0 bottom
R9004  DNP  [R0402]  51.33 143.42 180 bottom
R9005  DNP  [R0402]  46.76 143.42 0 bottom
R9006  10K  [R0402]  48.79 143.42 0 bottom
R9010  0R  [R0402]  48.79 141.26 180 bottom
R9011  0R  [R0402]  48.79 142.28 180 bottom
R9012  0R  [R0402]  53.37 142.41 180 bottom
R9013  0R  [R0402]  53.37 143.42 180 bottom
R9200  100R  [R0402]  109.25 12.87 180 top
R9201  100R  [R0402]  101.75 9.11 0 top
R9202  3K  [R0402]  114.2 12.87 0 top
R9203  6.8K  [R0402]  116.23 12.87 0 top
R9204  100R  [R0402]  118.9 9.06 180 top
R9205  12K  [R0402]  95.78 11.98 180 top
R9206  100R  [R0402]  130.96 7.36 0 top
R9300  0R  [R0402]  41.43 156 90 bottom
R9301  0R  [R0402]  38.13 156 90 bottom
R9302  22R  [R0402]  33.68 166.49 90 top
R9303  22R  [R0402]  32.66 166.5 90 top
R9508  10K  [R0402]  136.8 60.11 180 top
R9509  3.3K  [R0402]  139.6 55.92 180 top
R9510  0R  [R0805]  144.3 56.05 270 top
R9511  22R  [R0402]  131.72 60.37 270 top
R9512  0R  [R0805]  142.14 56.05 270 top
R9513  60.4R  [R1206]  144.42 60.37 90 top
R9514  60.4R  [R1206]  142.14 60.37 90 top
R9515  22R  [R0402]  131.98 53.25 0 top
R9516  3.3K  [R0402]  139.6 57.32 0 top
R9517  10K  [R0402]  133.25 64.05 0 top
R9518  51K  [R0402]  136.42 61.76 270 top
R9519  22R  [R0402]  125.76 41.57 180 top
R9520  22R  [R0402]  123.72 41.57 0 top
R9521  22R  [R0402]  119.28 37.89 180 top
R9522  22R  [R0402]  119.28 38.9 180 top
S2000  KCD1-11-3P-W  [SW3_KCD1-11-3P-W]  166.48 20.08 90 top
SMTSO0  SMTSO3050CTJ  [SMTSO_M3_C4R1_C6R0_L5R0]  107.76 175.4 0 top
SMTSO1  SMTSO3050CTJ  [SMTSO_M3_C4R1_C6R0_L5R0]  72.24 175.4 0 top
SMTSO2  SMTSO3050CTJ  [SMTSO_M3_C4R1_C6R0_L5R0]  59.85 175.4 0 top
SW9200  TS-1125S  [SW5_6R20X6R20X2R50]  104.9 17.47 0 top
SW9201  TS-1125S  [SW5_6R20X6R20X2R50]  104.9 4.74 180 top
SW9202  TS-1125S  [SW5_6R20X6R20X2R50]  117.6 17.47 0 top
SW9203  TS-1125S  [SW5_6R20X6R20X2R50]  92.2 4.74 180 top
SW9204  TS-1125S  [SW5_6R20X6R20X2R50]  117.6 4.74 180 top
SW9205  TS-1125S  [SW5_6R20X6R20X2R50]  92.2 17.47 0 top
SW9206  TS-1125HS  [SW2_6R00X3R70X2R50]  134.01 4.51 90 top
TP1400  TP_0.5  [TP_0R50]  101.12 93.64 180 bottom
TP4200  TP_0.7  [TP_0R70]  163.73 61.38 0 top
TP4201  TP_0.7  [TP_0R70]  163.86 59.86 0 top
TP4202  TP_0.7  [TP_0R70]  163.86 53.63 0 top
TP4203  TP_0.7  [TP_0R70]  163.86 52.24 0 top
TP5800  TP_0.7  [TP_0R70]  28.6 126.28 0 top
TP5801  TP_0.7  [TP_0R70]  26.82 126.28 0 top
TP5802  TP_0.7  [TP_0R70]  25.68 126.28 0 top
TP6800  TP_0.7  [TP_0R70]  34.57 62.02 0 top
U1000  RK3588  [BGA1088_23R00X23R00X2R00]  97.94 85 180 top
U2000  MP8759  [QFN12_2R00X3R00X1R00]  83.59 31.16 270 top
U2100  MP8759  [QFN12_2R00X3R00X1R00]  147.6 41.44 180 top
U2200  RK806-1  [QFN68_7R00X7R00X0R80_T]  132.54 131.56 180 top
U2300  RK860-2  [WLCSP20_1R65X2R05X0R63]  92.74 43.86 90 top
U2301  RK860-3  [WLCSP20_1R65X2R05X0R63]  83.08 43.73 90 top
U2302  ETA3409/SY8089AAC  [SOT_23_5]  148.49 142.19 270 top
U2303  RK860-2  [WLCSP20_1R65X2R05X0R63]  112.83 111.42 180 top
U2305  SGM2576/TT9107  [SOT_23_5]  145.31 125.84 90 top
U2306  SGM2576/TT9107  [SOT_23_5]  51.71 104.55 0 top
U2400  HYM8563TS  [TSSOP8_3R10X3R10X1R10]  100.99 33.7 270 top
U2401  CON4P  [CN4M_2R54_V_E_DIP]  130.38 23.92 180 top
U2500  SY6280AAC/TCS9163  [SOT_23_5]  161.4 155.61 270 top
U2600  SY6280AAC/TCS9163  [SOT_23_5]  136.93 157.89 0 top
U2601  SY6280AAC/TCS9163  [SOT_23_5]  34.97 41.57 90 top
U3800  LPDDR4_200P  [BGA200_15R00X10R00X0R90]  121.37 82.25 0 top
U3801  LPDDR4_200P  [BGA200_15R00X10R00X0R90]  102.67 61.58 270 top